# Altium PCB BMS028B.PcbDoc (part 2 of 4) (continued)
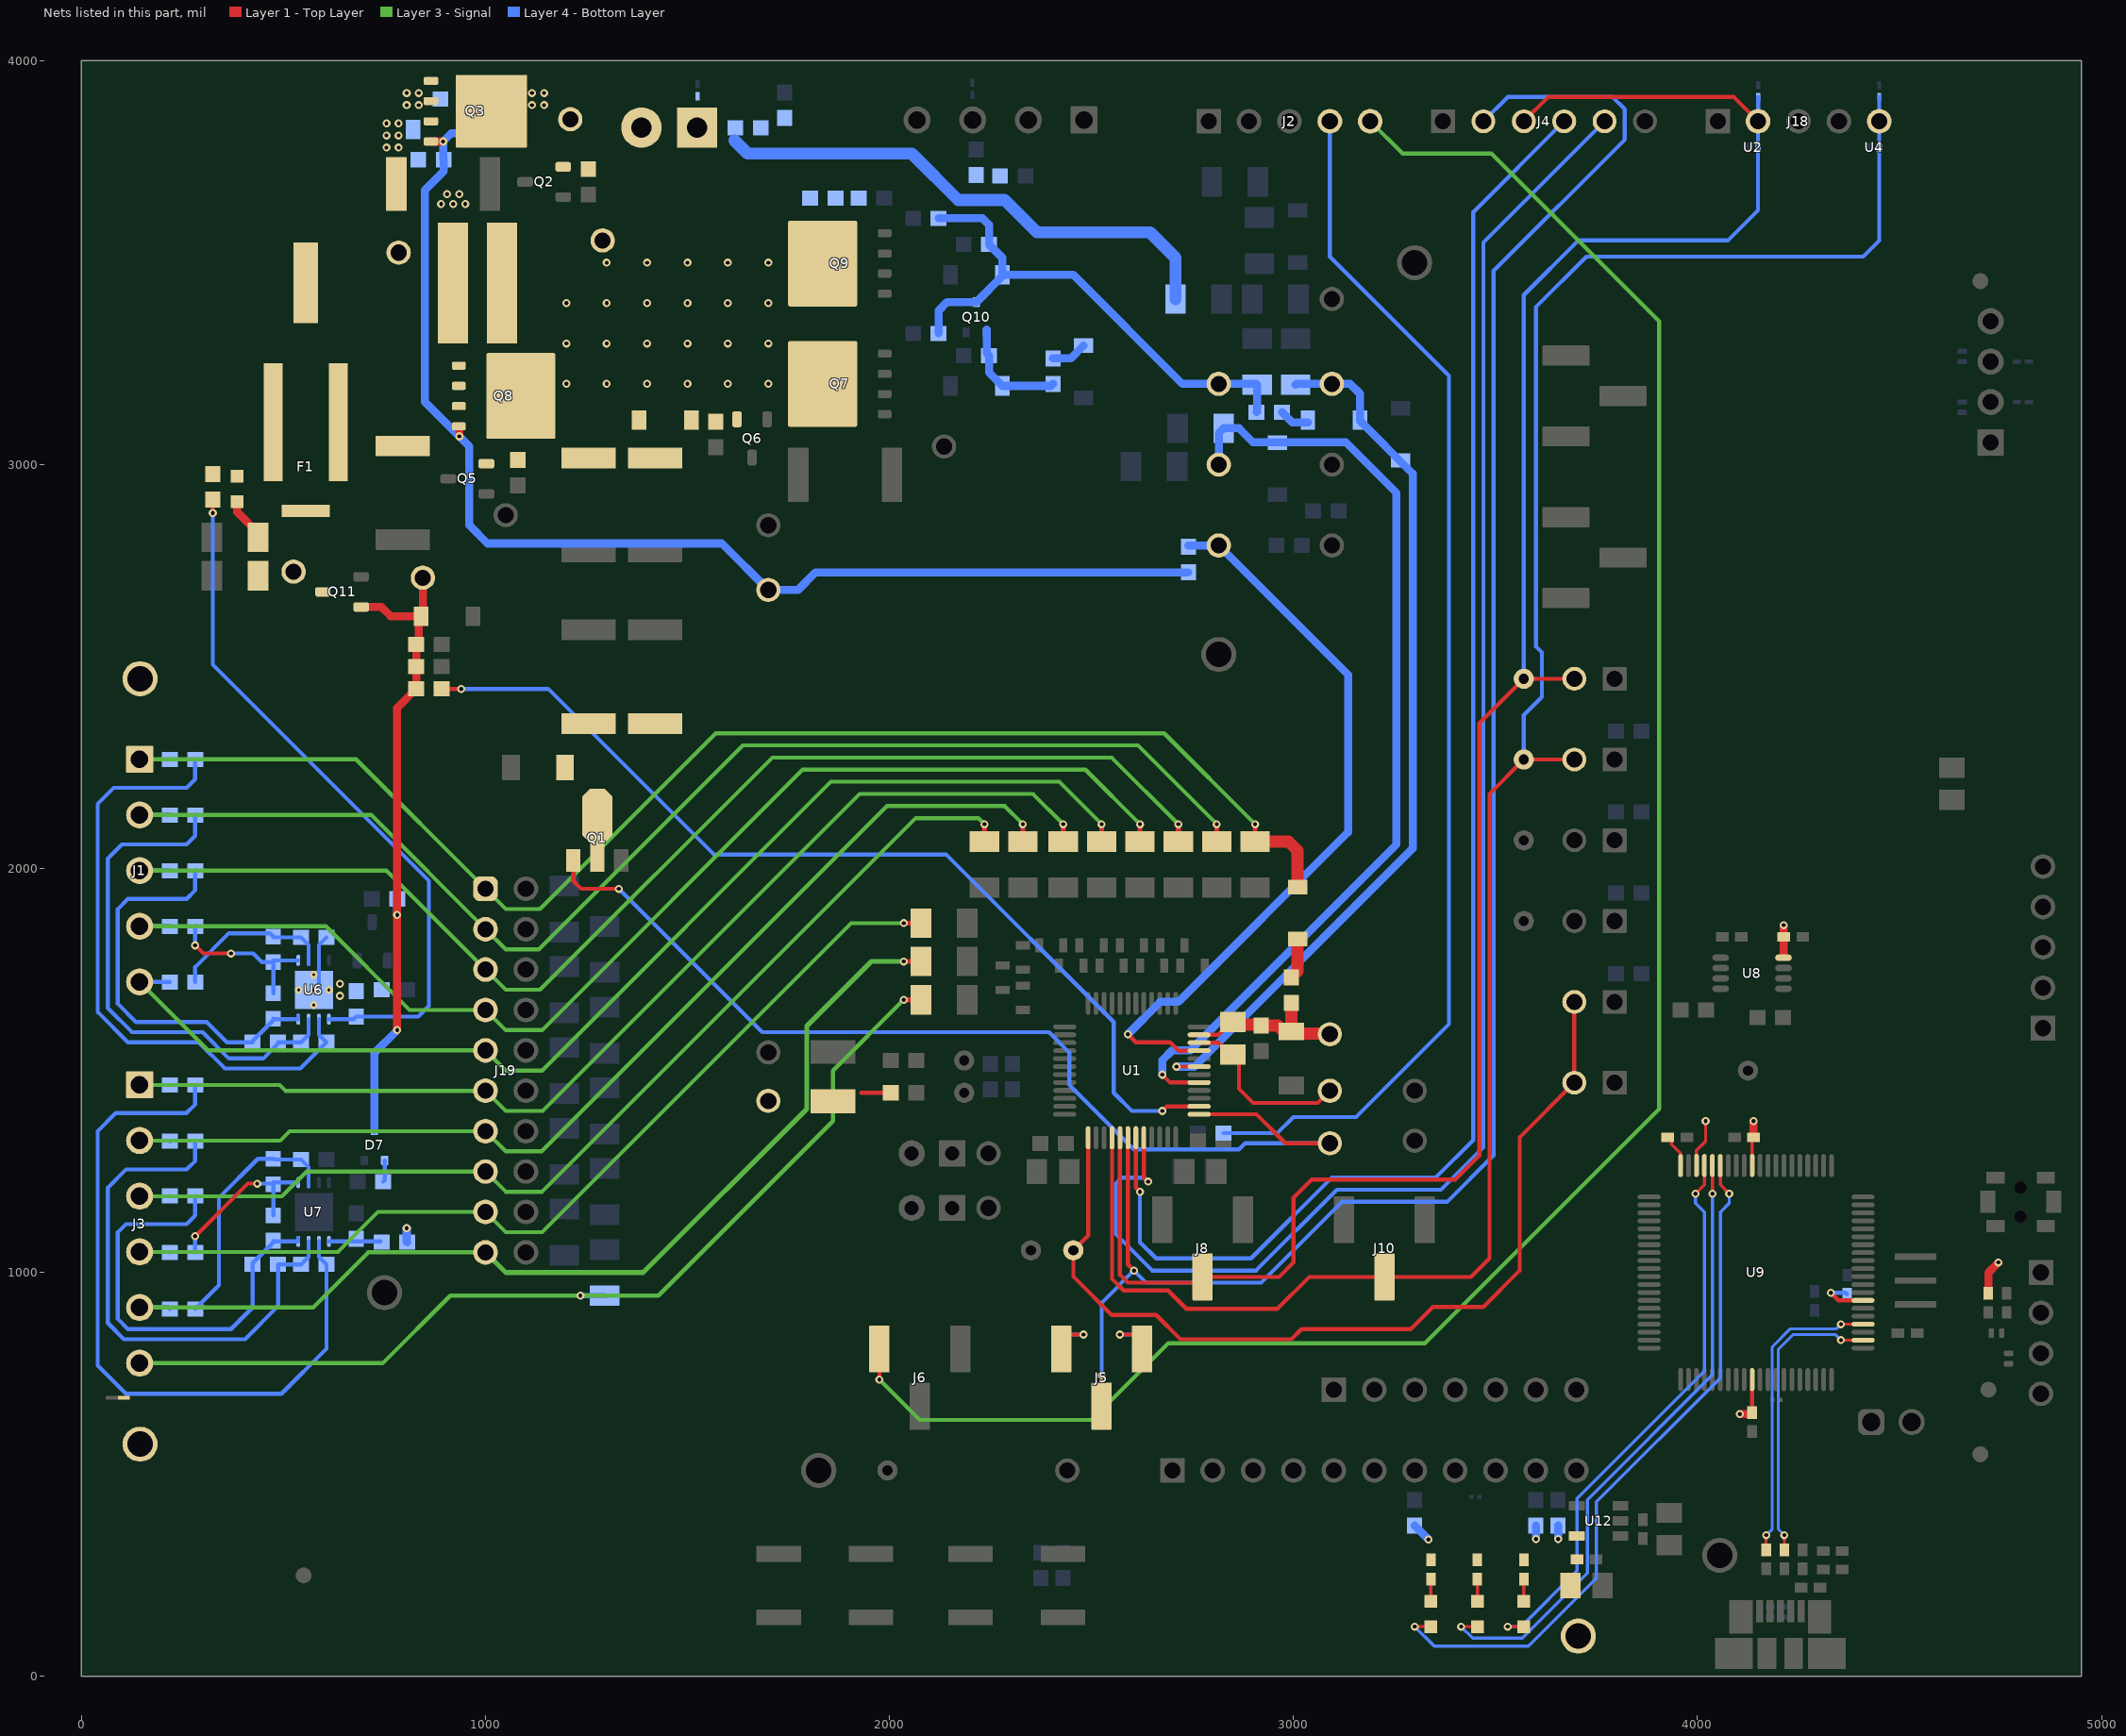
[diagram p4: the nets of this part, all layers, seen from the top]
## Part data (continued)
RT1 RT2: library part CMP-0002341-2, "Thermistor NTC, 10.0k ohm, 1%, Disc, 5x8.4 mm", Manufacturer="SEMITEC Corporation", PartNumber=103AT-2, Power_W=10mW, Supplier Part Number 1=954-103AT-2, Tolerance_%=1%, ComponentLink1Description="Datasheet link", ComponentLink1URL=http://www.semitec.co.jp/english2/products/pdf/AT_Thermistor.pdf, CompType=ThermistorNTC, LatestRevisionDate=09/03/2017, MountType=TH, PackageReference="Disc, 5x8.4 mm", Published=22/09/2009, Publisher="Texas Instruments", RoHS=Y, Series=AT, Supplier 1=Mouser, SymbolVersion=2008-11-25, TaMax_C=110°C, TaMin_C=-50°C, U/M=EA
S1 S2: library part CMP-0002132-2, "Switch, Tactile, SPST-NO, SMT", CurrentRating_mA=50A, Manufacturer="C&K Components", PartNumber=KST221JLFS, Supplier Part Number 1=401-1848-1-ND, Circuit=SPST-NO, ComponentLink1Description="Datasheet URL", ComponentLink1URL=http://www.ck-components.com/index.php?module=media&action=Display&cmpref=14404&lang=en&width=&height=&format=&alt=, CompType=Switch, Green_EU RoHS=Passed, Green_EU RoHS-2=Passed, Green_Lifecycle=Active, Green_REACh=Passed, LatestRevisionDate=2017-03-09, MountType=SMT, Orientation="Top Actuated", PackageReference="Switch, 6.2X5X6.2 mm", PositionCount=1, Publisher="Texas Instruments", RoHS=Y, Supplier 1=Digi-Key, Supplier 2=Mouser, Supplier Part Number 2=611-KST221JLFS, SwitchFunction=Off-Mom, SymbolCreator=a0799628, SymbolVersion=2013-06-10, VDC_V=32V
S3: library part CMP-0002246-2, "Switch, SPST-NO,  Off-Mom, 0.05A, 12VDC, SMD", CurrentRating_mA=50A, Manufacturer="C&K Components", Supplier Part Number 1=CKN10505CT-ND, Circuit=SPST-NO, ComponentLink1Description="Datasheet Link", ComponentLink1URL=http://www.ck-components.com/80184/pts820_4mar13.pdf/, CompType=Switch, LatestRevisionDate=2017-03-09, MountType=SMT, Orientation="Top Actuated", PackageReference=3.9x2.9mm, PartNumber="PTS820 J20M SMTR LFS", PositionCount=1, Publisher="Texas Instruments", RoHS=Y, Supplier 1=Digi-Key, Supplier 2=Mouser, Supplier Part Number 2=611-PTS820J20MSMTR, SwitchFunction=Off-Mom, VDC_V=12V
SH-J1 SH-J2 SH-J3 SH-J4 SH-J5 SH-J6 SH-J7 SH-J8 SH-J9 SH-J10 SH-J11 SH-J12 SH-J13 SH-J14 SH-J15: library part CMP-0003623-3, "Shunt, 100mil, Gold plated, Black", Alternate Manufacturer=3M, Alternate PartNumber=969102-0000-DA, Manufacturer=Samtec, Supplier Part Number 1=SAM8858-ND, ClassName=Shunt, ComponentLink1Description="Datasheet Link", ComponentLink1URL=http://www.samtec.com/ftppub/pdf/SNT.PDF, CompType=Shunt, MountType=N/A, PackageReference=Shunt, PartNumber=SNT-100-BK-G, RoHS=Y, Supplier 1=Digi-Key
TP1: library part CMP-0055147-1, "Test Point, Multipurpose, Red, TH", Color=Red, Manufacturer=Keystone, PartNumber=5010, Supplier Part Number 1=36-5010-ND, CNHeader=FALSE, ComponentLink1Description="Datasheet URL", ComponentLink1URL=http://www.keyelco.com/userAssets/file/M60-2p60.pdf, CompType="Test Point", ContactFinish=Silver, CT=TRUE, Green_EU RoHS=Passed, Green_EU RoHS-2=Incomplete, Green_Lifecycle=Active, Green_REACh=Passed, LatestRevisionDate=26/05/2017, MountType=TH, PackageReference="Red Multipurpose Testpoint", Publisher="Texas Instruments", RoHS=Y, Supplier 1=Digi-Key, Supplier 2=Mouser, Supplier Part Number 2=534-5010
TP2 TP3 TP4 TP5 TP6 TP7 TP9 TP10 TP11 TP12 TP13 TP18 TP19 TP20 TP21 TP22 TP23 TP24 TP25 TP26 TP27 TP28 TP29 TP30 TP31 TP32 TP33 TP34 TP35 TP36 TP37 TP38 TP39 TP40 TP41 TP42: library part CMP-0078143-2, "TEST POINT.  No entry in BOM.", Manufacturer=N/A, CompType=Testpoint, PackageReference=N/A, PartNumber=N/A
TP8: library part CMP-0055148-1, "Test Point, Multipurpose, Black, TH", Color=Black, Manufacturer=Keystone, PartNumber=5011, Supplier Part Number 1=36-5011-ND, CNHeader=FALSE, ComponentLink1Description="Datasheet URL", ComponentLink1URL=http://www.keyelco.com/userAssets/file/M60-2p60.pdf, CompType="Test Point", ContactFinish=Silver, CT=TRUE, Green_EU RoHS=Passed, Green_EU RoHS-2=Incomplete, Green_Lifecycle=Active, Green_REACh=Passed, LatestRevisionDate=26/05/2017, MountType=TH, PackageReference="Black Multipurpose Testpoint", Publisher="Texas Instruments", RoHS=Y, Supplier 1=Digi-Key, Supplier 2=Mouser, Supplier Part Number 2=534-5011
TP14 TP15 TP16 TP17: library part CMP-0055143-1, "Test Point, Compact, Black, TH", Color=Black, Manufacturer=Keystone, Supplier Part Number 1=36-5006-ND, CNHeader=FALSE, ComponentLink1Description="Datasheet URL", ComponentLink1URL=http://www.keyelco.com/userAssets/file/M60-2p60.pdf, CompType="Test Point", ContactFinish=Silver, CT=TRUE, Green_EU RoHS=Passed, Green_EU RoHS-2=Incomplete, Green_Lifecycle=Active, Green_REACh=Passed, LatestRevisionDate=26/05/2017, MountType=TH, PackageReference="Black Compact Testpoint", PartNumber=5006, Publisher="Texas Instruments", RoHS=Y, Supplier 1=Digi-Key, Supplier 2=Mouser, Supplier Part Number 2=534-5006, SymbolVersion=2008-04-04
TP43 TP44: library part CMP-0055142-1, "Test Point, Compact, Red, TH", Color=Red, Manufacturer=Keystone, Supplier Part Number 1=36-5005-ND, CNHeader=FALSE, ComponentLink1Description="Datasheet URL", ComponentLink1URL=http://www.keyelco.com/userAssets/file/M60-2p60.pdf, CompType="Test Point", ContactFinish=Silver, CT=TRUE, Green_EU RoHS=Passed, Green_EU RoHS-2=Passed, Green_Lifecycle=Active, Green_REACh=Passed, LatestRevisionDate=26/05/2017, MountType=TH, PackageReference="Red Compact Testpoint", PartNumber=5005, Publisher="Texas Instruments", RoHS=Y, Supplier 1=Digi-Key, Supplier 2=Mouser, Supplier Part Number 2=534-5005, SymbolVersion=2008-04-04, U/M=EA
TP45: library part CMP-0003825-1, "1mm Test Point, SMT", Manufacturer=Any, PartNumber=TP_SM_1MM, ComponentLink1Description="Datasheet Link", ComponentLink1URL=https://sps06.itg.ti.com/sites/KMS/crossdivteams/altium/docs/ComponentDatasheets/PROBE_TEST_POINT.png, CompType="Test Point", Key=TP_SM_1MM, LatestRevisionDate=2017-03-09, MountType=SMT, PackageReference="1mm Test Point, SMT", Publisher="Texas Instruments", SymbolVersion=2010-10-20
U1: library part CMP-0750064-1, "Multicell Battery Monitor and Protection Family, PFB0048A (TQFP-48)", Alternate Manufacturer="Texas Instruments", Alternate PartNumber=BQ76942PFBT, AEC Category=Q200, AEC Qualified=N, ComponentLink1Description="Datasheet Link", ComponentLink1URL=http://www.ti.com/lit/ds/symlink/bq76942.pdf, ComponentLink2Description="Product Folder", ComponentLink2URL=http://www.ti.com/product/bq76942, ComponentLink3Description="Online Datasheet", ComponentLink3URL=http://www.ti.com/product/bq76942/datasheet, CompType=IC, Manufacturer="Texas Instruments", MountType=SMT, PackageDescription=TQFP-48, PackageReference=PFB0048A, PartNumber=BQ76942PFBR, SizeArea_mm2=81, SizeAreaWB_mm2=121, SizeX_mm=9, SizeY_mm=9, SizeZ_mm=1.2
U2 U3 U4 U5: library part CMP-0043093-3, "Single-Channel ESD in 0402 Package With 10pF Capacitance and 6V Breakdown, DPY0002A (X1SON-2)", Alternate Manufacturer="Texas Instruments", Alternate PartNumber=TPD1E10B06DPYT, Breakdown Voltage(Min)(V)=6, IO Capacitance(Typ)(pF)=10, Operating Temperature Range="-40 to 125 C", Rating=Catalog, AEC Category=Q200, AEC Qualified=N, ComponentLink1Description="Datasheet Link", ComponentLink1URL=http://www.ti.com/lit/ds/symlink/tpd1e10b06.pdf, ComponentLink2Description="Product Folder", ComponentLink2URL=http://www.ti.com/product/tpd1e10b06, ComponentLink3Description="Online Datasheet", ComponentLink3URL=http://www.ti.com/product/tpd1e10b06/datasheet, CompType=IC, Eco-Plan=TBD, Green_EU RoHS=Passed, Green_EU RoHS-2=Passed, Green_Lifecycle=Active, Green_REACh=Passed, IEC 61000-4-2 Air-Gap(+/- kV)=30, IEC 61000-4-2 Contact(+/- kV)=30, IO Leakage Current(nA)=10, Manufacturer="Texas Instruments", MountType=SMT, PackageDescription=X1SON-2, PackageReference=DPY0002A, PartNumber=TPD1E10B06DPYR, RoHS=Y, SizeArea_mm2=0.6, SizeAreaWB_mm2=3.2, SizeX_mm=1.0, SizeY_mm=0.6, SizeZ_mm=0.45
U6 U7: library part CMP-0078902-2, "Family 2-5S Overvoltage Protector with Internal Delay Timer, DPJ0008A (WSON-8)", Alternate Manufacturer="Texas Instruments", Alternate PartNumber=BQ771807DPJT, AEC Category=Q200, AEC Qualified=N, ComponentLink1Description="Datasheet Link", ComponentLink1URL=http://www.ti.com/lit/ds/symlink/bq7718.pdf, ComponentLink2Description="Product Folder", ComponentLink2URL=http://www.ti.com/product/bq7718, CompType=IC, Manufacturer="Texas Instruments", MountType=SMT, PackageDescription=WSON-8, PackageReference=DPJ0008A, PartNumber=BQ771807DPJR, RoHS=Y, SizeArea_mm2=12, SizeAreaWB_mm2=20, SizeX_mm=4, SizeY_mm=3, SizeZ_mm=0.8
U8: library part CMP-0051048-2, "Dual-Bit Dual Supply Transceiver with Configurable Voltage Translation and 3-State Outputs, DCT0008A, LARGE T&R", F @ Nom Voltage(Max)(Mhz)=150, Generic Part Number=SN74LVC2T45, ICC @ Nom Voltage(Max)(mA)=0.004, Manufacturer="Texas Instruments", Operating Temperature Range(C)="-40 to 85", Rating=Military, tpd @ Nom Voltage(Max)(ns)=17.7,10.3,8.3,7.2, Voltage(Nom)(V)=1.8,2.5,3.3,5, 3-State Output=Yes, AEC Category=Q200, AEC Qualified=N, Bits(#)=2, ComponentLink1Description="Datasheet Link", ComponentLink1URL=http://www.ti.com/lit/ds/symlink/sn74lvc2t45.pdf, ComponentLink2Description="Product Folder", ComponentLink2URL=http://www.ti.com/product/sn74lvc2t45, CompType=IC, DatasheetVersion=SCES516J, Input Type=CMOS/TTL, Logic=True, MountType=SMT, Output Drive (IOL/IOH)(Max)(mA)=32/-32, Output Type=CMOS, PackageDescription=SSOP-8, PackageReference=DCT0008A, PartNumber=SN74LVC2T45DCTR, RoHS=Y, Schmitt Trigger=No, SizeArea_mm2=11.2, SizeAreaWB_mm2=19, SizeX_mm=4, SizeY_mm=2.8, SizeZ_mm=1.3, Sub-Family="Dual Supply Translator", Technology Family=LVC, VCC(Max)(V)=5.5, VCC(Min)(V)=1.65
U9: "25 MHz Mixed Signal Microcontroller with 128 KB Flash, 8192 B SRAM and 63 GPIOs, -40 to 85 degC, 80-pin QFP (PN), Green (RoHS & no Sb/Br)", Frequency(MHz)=25, Manufacturer="Texas Instruments", PartNumber=MSP430F5529IPN, Temp Sensor=Yes, ADC="12-bit SAR", ADC Channels=16, Brown Out Reset=Yes, Code_JEDEC=MS-018, Comparators=Yes, ComponentLink1Description="Manufacturer URL", ComponentLink1URL=http://www.ti.com/, ComponentLink2Description=Datasheet, ComponentLink2URL=http://www.ti.com/general/docs/lit/getliterature.tsp?genericPartNumber=MSP430F5529&fileType=pdf, ComponentLink3Description="Package Specification", ComponentLink3URL=http://www.ti.com/lit/ml/mtqf010a/mtqf010a.pdf, DatasheetVersion=SLAS590I, DMA=3, Eco-Plan="Green (RoHS & no Sb/Br)", Flash(KB)=128, GPIO=63, Mounting Technology="Surface Mount", Multiplier=32x32, PackageDescription="80-Pin Plastic Quad Flat Pack, Body 12 x 12 mm, Pitch 0.5 mm", PackageReference=PN0080A, Real-Time Clock=Yes, SRAM(B)=8192, SubFamily="5 Series", SVS=Yes, Timers - 16-bit=4, USB=1, USCI_A (UART/LIN/IrDA/SPI)=2, USCI_B (I2C & SPI)=2, Watchdog=Yes
U10 U11 U13 U14: library part CMP-0043094-3, "Single-Channel ESD in 0402 Package With 10pF Capacitance and 6V Breakdown, DPY0002A (X1SON-2)", Alternate Manufacturer="Texas Instruments", Alternate PartNumber=TPD1E10B06DPYR, Breakdown Voltage(Min)(V)=6, IO Capacitance(Typ)(pF)=10, Operating Temperature Range="-40 to 125 C", Rating=Catalog, AEC Category=Q200, AEC Qualified=N, ComponentLink1Description="Datasheet Link", ComponentLink1URL=http://www.ti.com/lit/ds/symlink/tpd1e10b06.pdf, ComponentLink2Description="Product Folder", ComponentLink2URL=http://www.ti.com/product/tpd1e10b06, ComponentLink3Description="Online Datasheet", ComponentLink3URL=http://www.ti.com/product/tpd1e10b06/datasheet, CompType=IC, Eco-Plan=TBD, IEC 61000-4-2 Air-Gap(+/- kV)=30, IEC 61000-4-2 Contact(+/- kV)=30, IO Leakage Current(nA)=10, Manufacturer="Texas Instruments", MountType=SMT, PackageDescription=X1SON-2, PackageReference=DPY0002A, PartNumber=TPD1E10B06DPYT, RoHS=Y, SizeArea_mm2=0.6, SizeAreaWB_mm2=3.2, SizeX_mm=1.0, SizeY_mm=0.6, SizeZ_mm=0.45
U12: "Single Output LDO, 150 mA, Fixed 3.3 V Output, 2.7 to 10 V Input, with Low IQ, 5-pin SOT-23 (DBV), -40 to 125 degC, Green (RoHS & no Sb/Br)", Manufacturer="Texas Instruments", PartNumber=TPS76333DBVR, Accuracy(%)=3, Code_JEDEC=MO-178, ComponentLink1Description="Manufacturer URL", ComponentLink1URL=http://www.ti.com/, ComponentLink2Description=Datasheet, ComponentLink2URL=http://www.ti.com/general/docs/lit/getliterature.tsp?genericPartNumber=TPS76333&fileType=pdf, ComponentLink3Description="Package Specification", ComponentLink3URL=http://www.ti.com/litv/pdf/mpds018i, DatasheetVersion=SLVS181H, Eco-Plan="Green (RoHS & no Sb/Br)", Fixed Output Options(V)=3.3, Iout(Max)(A)=0.15, Iq(Typ)(mA)=0.08, Mounting Technology="Surface Mount", PackageDescription="5-Pin Plastic Small Outline, Body 1.60 Ã— 2.90 mm, Pitch 0.95 mm", PackageReference=DBV0005A, PackageVersion=4073253-4/K, SubFamily="Single Channel LDO", Vdo(Typ)(mV)=300, Vin(Max)(V)=10, Vin(Min)(V)=2.7, Vout Adj(Max)(V)=3.3, Vout Adj(Min)(V)=3.3
Y1: library part CMP-0084387-1, "Resonator, 4 MHz, 39 pF, AEC-Q200 Grade 1, SMD", Frequency_Fixed=4MHz, Load Capacitance="39 pF", Manufacturer=MuRata, AEC Category=Q200, AEC Grade=1, AEC Qualified=Y, ComponentLink1Description="Datasheet Link", ComponentLink1URL=https://www.murata.com/~/media/webrenewal/support/library/catalog/products/timingdevice/ceralock/p16e.ashx, CompType=Resonator, MountType=SMT, PackageReference="4.5x1.2x2 mm", PartNumber=CSTCR4M00G55B-R0, RoHS=Y, SizeArea_mm2=9, SizeAreaWB_mm2=16.5, SizeX_mm=4.5, SizeY_mm=2, SizeZ_mm=1.2, TaMax_C=125°C, TaMin_C=-40°C
ZZ1: library part CMP-0077236-1, ClassName=AssemblyNote, CompType=AssemblyNote, Key=AssemblyNote, LatestRevisionDate=2017-08-10, Publisher="Texas Instruments"
ZZ2: library part CMP-0077237-1, ClassName=AssemblyNote, CompType=AssemblyNote, Key=AssemblyNote, LatestRevisionDate=2017-08-10, Publisher="Texas Instruments"
ZZ3: library part CMP-0077238-1, ClassName=AssemblyNote, CompType=AssemblyNote, Key=AssemblyNote, LatestRevisionDate=2017-08-10, Publisher="Texas Instruments"

## Via types
v1: diameter 20, hole 10, Layer 1 - Top Layer to Layer 4 - Bottom Layer, tented both sides, 345 vias
v2: diameter 19.68, hole 7.87, Layer 1 - Top Layer to Layer 4 - Bottom Layer, tented both sides, 10 vias

## Nets (pads, with @x,y where several pads share a name; then routed paths per layer and width w, separated by ;. In a path a pad name is that pad's centre, name@x,y a point inside that pad or via, vN(x,y) a via of type N, cw(c..) or ccw(c..) an arc to the next point about the centre after c; other vN are vias at no path point)
1P: J3.5 J19.19 R16.1 R71.1 | length 2526.3
  Layer 1 - Top Layer w12: v1(2035,1770) R16.1@2077.91,1770
  Layer 3 - Signal w10: J3.5@143.94,913.31 573.31,913.31 710,1050 J19.19@1000,1050
  Layer 3 - Signal w12: J19.19@1000,1050 1050,1000 1390,1000 1795,1405 1795,1610 1955,1770 v1(2035,1770)
  Layer 4 - Bottom Layer w10: J3.5@143.94,913.31 215.2,913.31 R71.1@218.5,910
2P: J3.4 J19.17 R15.1 R69.1 | length 2387.5
  Layer 1 - Top Layer w12: v1(2035,1865) R15.1@2077.91,1865
  Layer 3 - Signal w10: J3.4@143.94,1051.1 634.8,1051.1 733.7,1150 J19.17@1000,1150 1050,1100 1140,1100 1905,1865 v1(2035,1865)
  Layer 4 - Bottom Layer w10: J3.4@143.94,1051.1 217.4,1051.1 R69.1@218.5,1050
3.3V: C45.2 C50.1 C51.1 C54.1 C55.1 R85.1 R86.1 R87.1 R96.2 R97.2 R98.2 R99.2 TP44.1 U8.8 U9.11 U9.18 U9.50 U12.5 | length 624.1
  Layer 1 - Top Layer w8: U9.18@3997.36,1264.76 3997.36,1302.36 4020,1325 v1(4020,1375) ; U9.11@4135.16,1264.76 4135.16,1331.54 C55.1@4138.62,1335
  Layer 1 - Top Layer w10: U9.50@4135.16,735.24 4135.16,658.46 C54.1@4140,653.62
  Layer 1 - Top Layer w20: v1(4105,650) C54.1@4135,650 ; C55.1@4138.62,1335 v1(4138.62,1375) ; U8.8@4213.38,1783 C45.2@4213.38,1831 v1(4213.38,1860) ; R99.2@4720,948.62 4720,1000 v1(4745,1025)
  Layer 4 - Bottom Layer w20: R87.1@3300,373.5 v1(3334.25,339.25) ; v1(3600,340) R86.1@3600,373.5 ; v1(3655,340) R85.1@3655,373.5
3P: J3.3 J19.15 R14.1 R68.1 | length 2644.4
  Layer 1 - Top Layer w12: R14.1@2235,2067.09 v1(2235,2110)
  Layer 3 - Signal w10: J3.3@143.94,1188.9 496.06,1188.9 557.17,1250 J19.15@1000,1250 1050,1200 1140,1200 2065,2125 2220,2125 v1(2235,2110)
  Layer 4 - Bottom Layer w10: J3.3@143.94,1188.9 217.4,1188.9 R68.1@218.5,1190
4P: J3.2 J19.13 R12.1 R64.1 | length 2707.4
  Layer 1 - Top Layer w12: R12.1@2330,2067.09 v1(2330,2110)
  Layer 3 - Signal w10: J3.2@143.94,1326.69 491.69,1326.69 515,1350 J19.13@1000,1350 1050,1300 1138.74,1300 1993.74,2155 2285,2155 v1(2330,2110)
  Layer 4 - Bottom Layer w10: J3.2@143.94,1326.69 216.81,1326.69 R64.1@218.5,1325
5P: C27.1 C34.1 J3.1 J19.11 R11.1 R49.1 R57.1 R62.1 U6.7 U6.9 | length 2965.1
  Layer 1 - Top Layer w12: R11.1@2430,2067.09 v1(2430,2110)
  Layer 3 - Signal w10: J3.1@143.94,1464.49 490.51,1464.49 505,1450 J19.11@1000,1450 1050,1400 1141.26,1400 1926.26,2185 2355,2185 v1(2430,2110)
  Layer 4 - Bottom Layer w10: J3.1@143.94,1464.49 R62.1@218.5,1464.49 ; v2(575,1700) 587.8,1712.8 U6.7@587.8,1772.83 587.8,1811.3 C34.1@606.5,1830
  Layer 4 - Bottom Layer w20: v1(805,1110) 805,1076.5 R57.1@806.5,1075
  other v1: 640,1685 640,1715
  other v2: 575,1662.6 537.6,1700 612.4,1700 575,1737.4
6P: J1.5 J19.9 R10.1 R48.1 | length 2929.1
  Layer 1 - Top Layer w12: R10.1@2525,2067.09 v1(2525,2110)
  Layer 3 - Signal w10: J1.5@143.94,1719.41 313.35,1550 J19.9@1000,1550 1050,1500 1140,1500 1855,2215 2420,2215 v1(2525,2110)
  Layer 4 - Bottom Layer w10: J1.5@143.94,1719.41 R48.1@218.5,1719.41
7P: J1.4 J19.7 R9.1 R47.1 | length 3023.2
  Layer 1 - Top Layer w12: R9.1@2620,2067.09 v1(2620,2110)
  Layer 3 - Signal w10: J1.4@143.94,1857.2 605,1857.2 812.2,1650 J19.7@1000,1650 1050,1600 1140,1600 1785,2245 2485,2245 v1(2620,2110)
  Layer 4 - Bottom Layer w10: J1.4@143.94,1857.2 R47.1@218.5,1857.2
8P: J1.3 J19.5 R6.1 R45.1 | length 3117.3
  Layer 1 - Top Layer w12: R6.1@2715,2067.09 v1(2715,2110)
  Layer 3 - Signal w10: J1.3@143.94,1995 755,1995 J19.5@1000,1750 1050,1700 1135,1700 1710,2275 2550,2275 v1(2715,2110)
  Layer 4 - Bottom Layer w10: J1.3@143.94,1995 R45.1@218.5,1995
9P: J1.2 J19.3 R5.1 R43.1 | length 3211.3
  Layer 1 - Top Layer w12: R5.1@2810,2067.09 v1(2810,2110)
  Layer 3 - Signal w10: J1.2@143.94,2132.8 717.21,2132.8 J19.3@1000,1850 1050,1800 1131.93,1800 1636.93,2305 2615,2305 v1(2810,2110)
  Layer 4 - Bottom Layer w10: J1.2@143.94,2132.8 R43.1@218.5,2132.8
10P: D1.2 D3.2 F1.1 J1.1 J19.1 NT2.2 R2.1 R41.1 R42.1 TP1.1 | length 3510.4
  Layer 1 - Top Layer w12: R2.1@2905,2067.09 v1(2905,2110)
  Layer 1 - Top Layer w30: R2.1@2905,2067.09 2987.91,2067.09 3010,2045 D1.2@3010,1954.47
  Layer 3 - Signal w10: J1.1@143.94,2270.59 679.41,2270.59 J19.1@1000,1950 1050,1900 1135,1900 1570,2335 2680,2335 v1(2905,2110)
  Layer 4 - Bottom Layer w10: J1.1@143.94,2270.59 144.53,2270 R42.1@218.5,2270
ALERT: J16.2 J17.2 TP24.1 U1.25 | length 2319.4
  Layer 1 - Top Layer w10: U1.25@2491.73,1333.66 2491.73,1091.73 TP24.1@2455,1055 2455,990 2550,895 2660,895 2720,835 2995,835 3020,860 3290,860 3345,915 3470,915 3560,1005 3560,1335 J17.2@3695,1470 J16.2@3695,1670
BAT-: J3.6 NT1.2 R17.1 R21.1 R24.2 R40.1 TP8.1 TP19.1 | length 2513.3
  Layer 1 - Top Layer w10: 1930,1445 R21.1@2003.5,1445
  Layer 1 - Top Layer w12: v1(2035,1675) R17.1@2077.91,1675
  Layer 3 - Signal w10: J3.6@143.94,775.51 745.51,775.51 912.91,942.91 v1(1235,942.91) 1427.91,942.91 1860,1375 1860,1500 v1(2035,1675)
  Layer 4 - Bottom Layer w12: v1(1235,942.91) R40.1@1295,942.91
BREG: Q1.1 TP4.1 U1.37 | length 2604.9
  Layer 1 - Top Layer w10: Q1.1@1217.6,2020.2 1217.6,1969.33 1236.93,1950 v1(1330,1950) ; U1.37@2766.34,1391.73 2908.27,1391.73 2980,1320 TP4.1@3090,1320
  Layer 4 - Bottom Layer w10: v1(1330,1950) 1685,1595 2395,1595 2445,1545 2445,1465 2605,1305 2865,1305 2880,1320 TP4.1@3090,1320
CD: D2.2 Q5.2 Q6.2 Q7.5 Q7.6 Q7.7 Q7.8 Q7.9@1834.48,3200 Q8.5 Q8.6 Q8.7 Q8.8 Q8.9@1087.52,3170 Q9.5 Q9.6 Q9.7 Q9.8 Q9.9@1834.48,3498 R52.1 R53.1 R56.2 TP28.1
  other v1: 1200,3200 1300,3200 1400,3200 1500,3200 1600,3200 1700,3200 1200,3300 1300,3300 1400,3300 1500,3300 1600,3300 1700,3300 1200,3400 1300,3400 1400,3400 1500,3400 1600,3400 1700,3400 1300,3500 1400,3500 1500,3500 1600,3500 1700,3500
CFETOFF: E1.1 J4.3 J7.2 J8.2 J18.2 TP20.1 U1.29 U2.1 | length 5338.2
  Layer 1 - Top Layer w10: U1.29@2570.47,1333.66 2570.47,994.53 2590,975 2760.87,975 J8.2@2775,989.14 2964.14,989.14 3000,1025 3000,1185 3045,1230 3400,1230 3460,1290 3460,2360 TP20.1@3570,2470 J7.2@3695,2470 ; J4.3@3570,3850 3630,3910 4090,3910 J18.2@4150,3850
  Layer 4 - Bottom Layer w10: TP20.1@3570,2470 3570,3420 3705,3555 4075,3555 4149.8,3629.8 U2.1@4149.8,3785 4149.8,3849.8 J18.2@4150,3850 E1.1@4150,3910
CHG: R72.1 TP35.1 U1.45 | length 1862.9
  Layer 1 - Top Layer w10: v1(2590,1590) 2610,1570 2694.21,1570 2715,1549.21 U1.45@2766.34,1549.21
  Layer 4 - Bottom Layer w20: v1(2590,1590) 2670,1670 2715,1670 3135,2090 3135,2480 TP35.1@2815,2800 R72.1@2740,2800
CPACK+: C24.2 C29.2 E5.1 J20.1 J20.2 Q2.2 Q3.5 Q3.6 Q3.7 Q3.8 Q3.9@1014.57,3875 R46.1 R80.1 TP25.1 | length 1314.5
  Layer 4 - Bottom Layer w30: 1616,3803 1649,3770 2055,3770 2170,3655 2285,3655 2365,3575 2645,3575 2707.91,3512.09 R80.1@2707.91,3410
  other v1: 1115,3890 1145,3890 1115,3920 1145,3920
DCHG: J4.4 U1.31 | length 3841.2
  Layer 1 - Top Layer w10: U1.31@2609.84,1333.66 2609.84,1210.16 v1(2620,1200)
  Layer 4 - Bottom Layer w10: v1(2620,1200) 2620,1075 2660,1035 2895,1035 3095,1235 3352.43,1235 3445,1327.57 3445,3625 J4.4@3670,3850
DDSG: J4.5 U1.32 | length 4066
  Layer 1 - Top Layer w10: U1.32@2629.53,1333.66 2629.53,1235.47 v1(2640,1225)
  Layer 4 - Bottom Layer w10: v1(2640,1225) 2630,1235 2575,1235 2560,1220 2560,1095.28 2650.28,1005 2907.43,1005 3107.43,1205 3364.85,1205 3470,1310.15 3470,3550 J4.5@3770,3850
DFETOFF: J4.2 J5.2 U1.30 | length 4848.6
  Layer 1 - Top Layer w10: J5.2@2525,669.14 v1(2525,745) ; U1.30@2590.16,1333.66 2590.16,1019.84 v1(2605,1005)
  Layer 4 - Bottom Layer w10: v1(2525,745) 2525,925 v1(2605,1005) 2635,975 2920,975 3120,1175 3380,1175 3495,1290 3495,3480 3820,3805 3820,3880 3790,3910 3530,3910 J4.2@3470,3850
DM: R90.2 U9.64 | length 756.7
  Layer 1 - Top Layer w7: R90.2@4170,313.62 v1(4170,350) ; v1(4355,872.05) U9.64@4409.76,872.05
  Layer 4 - Bottom Layer w7: v1(4170,350) 4185,365 4185,816.21 4229.79,861 4343.95,861 v1(4355,872.05)
DP: R91.2 U9.62 | length 732.8
  Layer 1 - Top Layer w7: R91.2@4215,313.62 v1(4215,350) ; v1(4355,832.68) U9.62@4409.76,832.68
  Layer 4 - Bottom Layer w7: v1(4215,350) 4200,365 4200,810 4236,846 4341.68,846 v1(4355,832.68)
DSG: D10.1 D11.1 R78.1 TP41.1 U1.43 | length 2215.2
  Layer 1 - Top Layer w10: v1(2710,1509.84) U1.43@2766.34,1509.84
  Layer 4 - Bottom Layer w20: v1(2710,1509.84) 2755,1509.84 3295,2049.84 3295,2978 3164.47,3108.53 3164.47,3175.53 3140,3200 TP41.1@3095,3200 3007.09,3200 R78.1@3005,3197.91
EXTTS2: J2.5 J6.1 | length 5236.3
  Layer 1 - Top Layer w10: v1(1975.01,735.01) J6.1@1975,810.87
  Layer 3 - Signal w10: v1(1975.01,735.01) 2075.02,635 2500,635 2690,825 3325,825 3905,1405 3905,3355 3490,3770 3270,3770 J2.5@3190,3850
FBAT: C23.1 C32.2 D4.2 F1.3 NT2.1 Q3.1 Q3.2 Q3.3 Q8.1 Q8.2 Q8.3 R44.1 R50.1 R56.1 R59.1 TP26.1
  other v1: 890,3645 920,3645 950,3645 905,3670 935,3670 755,3785 785,3785 755,3815 785,3815 755,3845 785,3845 805,3890 835,3890 805,3920 835,3920
FUSE: R70.2 U1.38 | length 2414.9
  Layer 1 - Top Layer w10: R70.2@891.5,2445 v1(940,2445) ; v1(2675,1400) 2686.42,1411.42 U1.38@2766.34,1411.42
  Layer 4 - Bottom Layer w10: v1(940,2445) 1155,2445 1565,2035 2140,2035 2555,1620 2555,1445 2600,1400 v1(2675,1400)
HDQ: E3.1 J9.2 J10.2 J18.5 TP21.1 U1.28 U4.1 | length 5179.6
  Layer 1 - Top Layer w10: U1.28@2550.79,1333.66 2550.79,984.21 2579.49,955.51 2689.49,955.51 2735,910 2960,910 3039.13,989.13 J10.2@3225,989.13 3439.13,989.13 3485,1035 3485,2185 TP21.1@3570,2270 J9.2@3695,2270
  Layer 4 - Bottom Layer w10: TP21.1@3570,2270 3570,2380 3615,2425 3615,2535 3600,2550 3600,3390 3725,3515 4410,3515 4449.8,3554.8 U4.1@4449.8,3785 4449.8,3849.8 J18.5@4450,3850 E3.1@4450,3910
LD: D13.1 R83.2 TP40.1 U1.41 | length 2395.2
  Layer 1 - Top Layer w10: v1(2675,1490) 2694.53,1470.47 U1.41@2766.34,1470.47
  Layer 4 - Bottom Layer w20: v1(2675,1490) 2675,1525 2700,1550 2745,1550 3255,2060 3255,2930 3130,3055 2900,3055 2865,3090 R83.2@2827.09,3090 2815,3077.91 TP40.1@2815,3000
LED1: D14.1 U9.15 | length 1746.4
  Layer 1 - Top Layer w8: v1(3300,123.5) D14.1@3340,123.5 ; U9.15@4056.42,1264.76 4056.42,1217.05 v1(4078.46,1195)
  Layer 4 - Bottom Layer w8: v1(3300,123.5) 3348.5,75 3581.56,75 3750,243.44 3750,432 4057,739 4057,1150 4078.46,1171.46 v1(4078.46,1195)
LED2: D15.1 U9.16 | length 1568
  Layer 1 - Top Layer w8: v1(3415,123.5) D15.1@3455,123.5 ; v1(4036.73,1195) U9.16@4036.73,1264.76
  Layer 4 - Bottom Layer w8: v1(3415,123.5) 3443.5,95 3566.56,95 3727.28,255.73 3727.28,437.57 4037,747.28 v1@4037,1195
LED3: D16.1 U9.17 | length 1420.9
  Layer 1 - Top Layer w8: v1(3530,123.5) D16.1@3570,123.5 ; v1(3995,1195) 4017.05,1217.05 U9.17@4017.05,1264.76
  Layer 4 - Bottom Layer w8: v1(3530,123.5) 3563.5,123.5 3702.28,262.28 3702.28,440.85 4017,755.57 4017,1150 3995,1172 v1(3995,1195)
NetC1_1: C1.1 C2.1 C3.1 R1.1 TP2.1 U1.47 | length 419.2
  Layer 1 - Top Layer w10: U1.47@2766.34,1588.58 2813.58,1588.58 2845,1620 C3.1@2850,1620
  Layer 1 - Top Layer w30: C3.1@2850,1620 2856,1614 2917.5,1614 C2.1@2920,1611.5 2961.5,1611.5 2976.07,1596.93 C1.1@2995,1596.93 ; R1.1@2995,1667.69 C1.1@2995,1596.93 ; TP2.1@3090,1591.5 3000.43,1591.5 C1.1@2995,1596.93
NetC3_2: C3.2 TP3.1 U1.46 | length 434.7
  Layer 1 - Top Layer w10: U1.46@2766.34,1568.9 2814.1,1568.9 2865,1518 2865,1455 2900,1420 3060,1420 TP3.1@3090,1450
NetC23_2: C23.2 C24.1
NetC25_1: C25.1 C26.2 R43.2 U6.3 | length 1275
  Layer 4 - Bottom Layer w10: R43.2@281.5,2132.8 281.5,2081.5 260,2060 100,2060 65,2025 65,1655 125,1595 300,1595 365,1530 450,1530 486.5,1566.5 C26.2@486.5,1570 C25.1@543.5,1570 562.2,1588.7 U6.3@562.2,1627.17
NetC25_2: C25.2 R42.2 U6.2 | length 1546.8
  Layer 4 - Bottom Layer w10: R42.2@281.5,2270 281.5,2221.5 260,2200 80,2200 40,2160 40,1645 115,1570 290,1570 355,1505 541.5,1505 C25.2@606.5,1570 587.8,1588.7 U6.2@587.8,1627.17
NetC26_1: C26.1 C28.2 R45.2 U6.4 | length 1017.4
  Layer 4 - Bottom Layer w10: R45.2@281.5,1995 281.5,1946.5 260,1925 115,1925 90,1900 90,1665 135,1620 310,1620 360,1570 C26.1@423.5,1570 423.5,1573.5 475,1625 C28.2@475,1627.17 ; C28.2@475,1628.5 C28.2@475,1627.17 ; U6.4@536.61,1636 U6.4@536.61,1627.17 C28.2@475,1627.17
NetC27_2: C27.2 R41.2 U6.1 | length 1735.7
  Layer 1 - Top Layer w10: v1(325,2880) R41.2@325,2913.5
  Layer 4 - Bottom Layer w10: v1(325,2880) 325,2505 860,1970 860,1660 833.5,1633.5 C27.2@680,1633.5 673.66,1627.17 U6.1@613,1627.17
NetC28_1: C28.1 C30.2 R47.2 U6.5 | length 396.5
  Layer 1 - Top Layer w10: v1(281.5,1810) 301.5,1790 v1(370,1790)
  Layer 4 - Bottom Layer w10: v1(281.5,1810) R47.2@281.5,1857.2 ; v1(370,1790) 425,1790 446.5,1768.5 C30.2@475,1768.5 C28.1@475,1691.5 ; C30.2@475,1772.83 U6.5@536.61,1772.83
NetC29_1: C29.1 C31.2
NetC30_1: C30.1 C34.2 R48.2 U6.6 | length 411.6
  Layer 4 - Bottom Layer w10: R48.2@281.5,1719.41 281.5,1756.5 365,1840 466.5,1840 C30.1@475,1831.5 476.5,1830 C34.2@543.5,1830 562.2,1811.3 U6.6@562.2,1764
NetC32_1: C32.1 C33.2
NetC35_1: C35.1 C37.2
NetC36_1: C36.1 C38.2 R64.2 U7.3 | length 1324.8
  Layer 4 - Bottom Layer w10: R64.2@281.5,1325 281.5,1276.5 260,1255 110,1255 65,1210 65,875 105,835 405,835 486.5,916.5 C38.2@486.5,1020 C36.1@543.5,1020 562.2,1038.7 U7.3@562.2,1077.17
NetC36_2: C36.2 R62.2 U7.2 | length 1812.1
  Layer 4 - Bottom Layer w10: R62.2@281.5,1464.49 281.5,1416.5 260,1395 85,1395 40,1350 40,770 110,700 495,700 606.5,811.5 C36.2@606.5,1020 587.8,1038.7 U7.2@587.8,1077.17
NetC38_1: C38.1 C40.2 R68.2 U7.4 | length 1095
  Layer 4 - Bottom Layer w10: R68.2@281.5,1190 281.5,1141.5 260,1120 110,1120 90,1100 90,885 115,860 370,860 423.5,913.5 C38.1@423.5,1020 423.5,1023.5 475,1075 C40.2@475,1077.17 ; C40.2@475,1078.5 C40.2@475,1077.17 ; U7.4@536.61,1086 U7.4@536.61,1077.17 C40.2@475,1077.17
NetC39_2: C39.2 R57.2 U7.1 | length 128.2
  Layer 4 - Bottom Layer w10: U7.1@612.4,1077.17 R57.2@740.57,1077.17
NetC40_1: C40.1 C41.2 R69.2 U7.5 | length 426.6
  Layer 1 - Top Layer w10: v1(281.5,1090) 411.5,1220 v1(435,1220)
  Layer 4 - Bottom Layer w10: R69.2@281.5,1050 v1(281.5,1090) ; v1(435,1220) 473.5,1220 C41.2@475,1218.5 C40.1@475,1141.5 ; C41.2@475,1222.83 U7.5@536.61,1222.83
NetC41_1: C41.1 C42.2 R71.2 U7.6 | length 617.1
  Layer 4 - Bottom Layer w10: R71.2@281.5,910 340,968.5 340,1185 436.5,1281.5 C41.1@475,1281.5 476.5,1280 C42.2@543.5,1280 562.2,1261.3 U7.6@562.2,1214
NetC43_2: C43.2 D7.3 D9.1 Q11.1 R54.2 R70.1 R75.2 TP34.1 | length 1615
  Layer 1 - Top Layer w20: Q11.1@692.24,2647.6 742.4,2647.6 765,2625 D9.1@840.53,2625 ; v1(781.5,1600) v1(781.5,1885) 781.5,2397.99 R70.1@828.5,2445 R75.2@828.5,2500 C43.2@828.5,2555 835,2561.5 835,2619.47 D9.1@840.53,2625 ; TP34.1@845,2720 845,2629.47 D9.1@840.53,2625
  Layer 4 - Bottom Layer w20: D7.3@725,1352.4 725,1543.5 v1(781.5,1600) ; v1(781.5,1885) R54.2@781.5,1925
NetC47_1: C47.1 U9.20 | length 83.3
  Layer 1 - Top Layer w8: C47.1@3926.38,1335 3935,1326.38 3935,1318.15 3957.99,1295.16 U9.20@3957.99,1264.76
NetC53_1: C53.1 U9.67 | length 129.1
  Layer 1 - Top Layer w10: v1(4330,950) 4348.9,931.1 U9.67@4409.76,931.1
  Layer 4 - Bottom Layer w10: v1(4330,950) 4366.38,950 C53.1@4370,946.38
NetC57_1: C57.1 Q1.2 Q1.4 R7.1 R8.1
NetD1_1: D1.1 R1.2 | length 101.1
  Layer 1 - Top Layer w30: R1.2@2995,1730.69 3010,1745.69 D1.1@3010,1825.53
NetD2_1: D2.1 R3.2 R4.2
NetD3_1: D3.1 R55.2 | length 110.1
  Layer 1 - Top Layer w20: D3.1@385,2908.5 385,2882.91 437.09,2830.83 R55.2@437.09,2820
NetD4_1: D4.1 Q3.4 Q8.4 R59.2 R72.2 TP30.1 | length 3002.2
  Layer 1 - Top Layer w20: Q3.4@864.96,3800 v1(895,3800) ; Q8.4@933.78,3095 935,3093.78 v1(935,3070)
  Layer 4 - Bottom Layer w20: D4.1@949.47,3830 939.47,3820 915,3820 v1(895,3800) 895,3756.5 R59.2@896.5,3755 896.5,3726.5 850,3680 850,3155 960,3045 960,2850 1005,2805 1585,2805 TP30.1@1700,2690 1773.5,2690 1817.01,2733.5 R72.2@2740,2733.5
NetD5_1: D5.1 Q10.3 R60.2 R65.2 R66.2 R76.2 R77.2 TP33.1 | length 1333.7
  Layer 4 - Bottom Layer w20: R65.2@2121.5,3325 2121.5,3381.5 2142.4,3402.4 Q10.3@2215,3402.4 2279.47,3466.87 D5.1@2279.47,3470 ; R66.2@2121.5,3610 2230,3610 2246.5,3593.5 R60.2@2246.5,3545 2279.47,3512.03 D5.1@2279.47,3470 ; R77.2@2908.5,3130 2910,3131.5 R76.2@2910,3197.91 2907.91,3200 TP33.1@2815,3200 2725,3200 2455,3470 D5.1@2279.47,3470
NetD6_1: D6.1 Q10.1 R61.2 R67.1 | length 283.7
  Layer 4 - Bottom Layer w20: Q10.1@2240.59,3335 2240.59,3275.91 R61.2@2246.5,3270 2246.5,3227.98 D6.1@2279.47,3195 2399.99,3195 R67.1@2405,3200.02
NetD7_1: D7.1 R63.2 | length 54.3
  Layer 4 - Bottom Layer w10: R63.2@746.5,1225 750.59,1229.09 D7.1@750.59,1277.6
NetD8_1: D8.1 R67.2 | length 88
  Layer 4 - Bottom Layer w20: R67.2@2405,3263.01 2448.54,3263.01 D8.1@2480,3294.47
NetD10_2: D10.2 R77.1 | length 74.4
  Layer 4 - Bottom Layer w20: R77.1@2971.5,3130 2996.5,3105 D10.2@3035.53,3105
NetD14_2: D14.2 R96.1 | length 54.9
  Layer 1 - Top Layer w8: D14.2@3340,186.5 R96.1@3340,241.38
NetD15_2: D15.2 R97.1 | length 54.9
  Layer 1 - Top Layer w8: D15.2@3455,186.5 R97.1@3455,241.38
NetD16_2: D16.2 R98.1 | length 54.9
  Layer 1 - Top Layer w8: D16.2@3570,186.5 R98.1@3570,241.38
NetF1_2: F1.2 Q11.3 R58.1 TP29.1
NetJ2_4: J2.4 R13.2 | length 3027.5
  Layer 4 - Bottom Layer w10: R13.2@2826.5,1345 2960,1345 3000,1385 3155,1385 3385,1615 3385,3220 3090,3515 J2.4@3090,3850
NetJ5_1: J5.1 R19.2 | length 112.1
  Layer 1 - Top Layer w10: J5.1@2425.01,841.51 2430,846.5 v1(2480,846.5)
  Layer 4 - Bottom Layer w10: R19.2@2425,846.5 v1(2480,846.5)
NetJ5_3: J5.3 R20.2 | length 112.1
  Layer 1 - Top Layer w10: v1(2570.01,846.5) 2620.01,846.5 J5.3@2625.01,841.51
  Layer 4 - Bottom Layer w10: v1(2570.01,846.5) R20.2@2625.01,846.5